# Altium PCB Gateway_V2.PcbDoc (part 2 of 2)
Units mil, origin at the board's own origin, x right, y up, seen from the top; angles counter-clockwise.
Board outline 3655 x 3455 mil, 4 copper layers (Top Layer, Signal Layer 1, Signal Layer 2, Bottom Layer), stack 61.6 mil thick; 174 components, 170 nets, 782 pads, 428 vias.
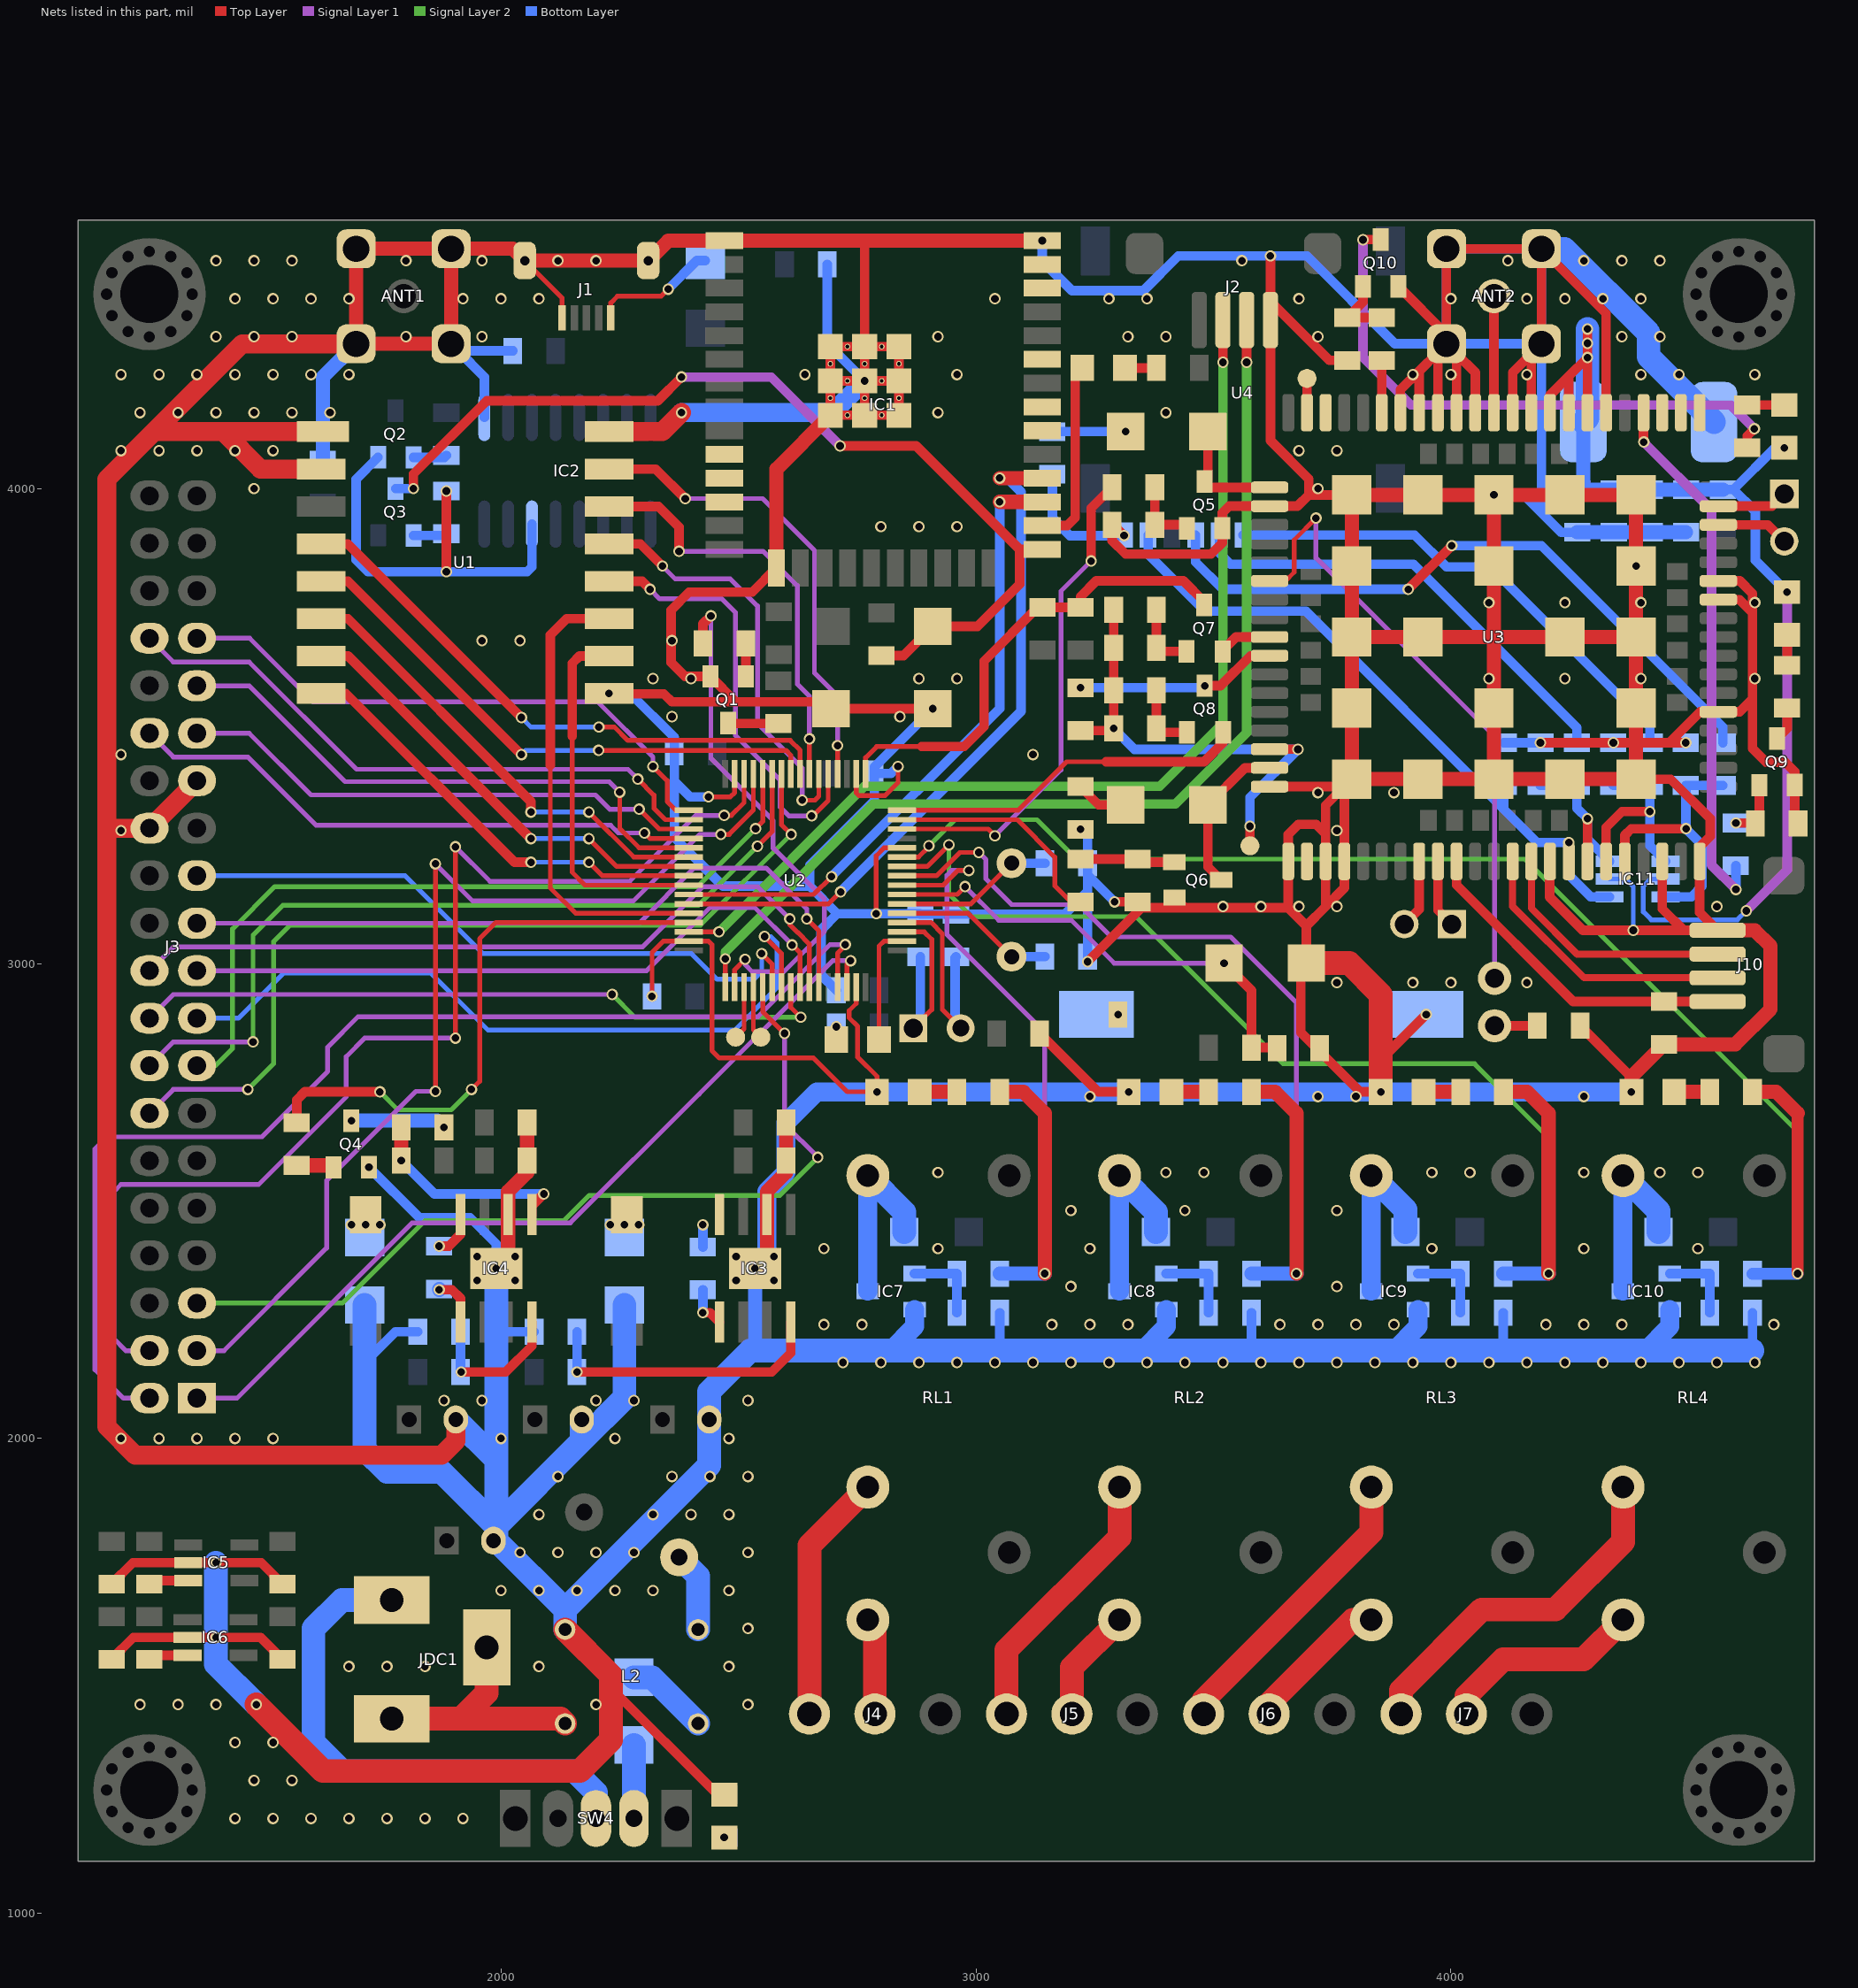
[diagram p4: the nets of this part, all layers, seen from the top]

## Via types
v1: diameter 24, hole 16, Top Layer to Bottom Layer, 426 vias
v2: diameter 51.18, hole 51.18, Top Layer to Bottom Layer, 1 vias
v3: diameter 59.06, hole 59.06, Top Layer to Bottom Layer, 1 vias

## Nets (pads, with @x,y where several pads share a name; then routed paths per layer and width w, separated by ;. In a path a pad name is that pad's centre, name@x,y a point inside that pad or via, vN(x,y) a via of type N, cw(c..) or ccw(c..) an arc to the next point about the centre after c; other vN are vias at no path point) (continued)
GND: ANT1.2 ANT1.3 ANT1.4 ANT1.5 ANT2.2 ANT2.3 ANT2.4 ANT2.5 BT1.2 C1.2 C2.2 C3.1 C4.1 C5.1 C6.1 C7.1 C8.1 C9.1 C10.1 C11.1 C12.1 C14.2 C15.2 C16.1 C17.1 C19.2 C20.1 C21.1 C22.2 C23.1 C24.1 C25.1 C26.1 C27.2 C28.1 C29.1 C30.1 C31.1 C35.2 C36.2 C37.2 C38.1 C39.1 D3.1 D4.1 IC1.1 IC1.15 IC1.38 IC1.39_1 IC1.39_2 IC1.39_3 IC1.39_4 IC1.39_5 IC1.39_6 IC1.39_7 IC1.39_8 IC1.39_9 IC1.39_10 IC1.39_11 IC1.39_12 IC1.39_13 IC1.39_14 IC1.39_15 IC1.39_16 IC1.39_17 IC1.39_18 IC1.39_19 IC1.39_20 IC1.39_21 IC2.1 IC3.6 IC3.9 IC4.6 IC4.9 IC5.2 IC6.2 IC7.3 IC8.3 IC9.3 IC10.3 IC11.2 J1.5 J2.4 J3.26 J3.27 J10.1 L2.3 LED3.2 LED4.2 LED5.2 LED6.2 LED7.2 Q1.2 Q4.2 Q5.2 Q6.2 Q9.2 Q10.2 R8.2 R13.1 R19.1 R25.1 R27.1 R31.1 R33.1 R40.2 R41.2 R42.2 R43.2 R48.1 R49.1 R50.2 SW1.1 SW2.1 SW3.1 U1.1 U1.2 U1.9 U1.16 U2.12 U2.18 U2.31 U2.47 U2.63 U3.2 U3.17 U3.18 U3.29 U3.39 U3.45 U3.46 U3.54 U3.58 U3.59 U3.61 U3.62 U3.63 U3.64 U3.65 U3.69 U3.70 U3.71 U3.72 U3.73 U3.74 U3.75 U3.76 U3.77 U3.78 U3.79 U3.80 U3.81 U3.82 U3.83 U3.84 U3.85 U3.86 U3.87 U3.88 U3.89 U3.91 U3.92 U3.94 U4.5 | length 43446.9
  Top Layer w10: J1.5@2050.08,4480 2128.82,4401.26 J1.5@2128.82,4359.18 ; v1(2318,2931) 2318,3023.36 2341.68,3047.05 U2.47@2395.59,3047.05 2436.95,3047.05 2444,3040 2444,2817 2460,2801 2658,2801 2729,2730 v1(2791.71,2730) 2791.71,2762.29 2751,2803 2751,2868 2733,2886 2733,2901 2747.95,2915.95 U2.63@2747.95,2950.59 ; v1(2436.95,3351) 2483,3351 2492.05,3360.05 U2.31@2492.05,3399.41 ; U2.18@2747.95,3399.41 2747.95,3359.05 2753,3354 2809,3354 2836,3381 v1(2836,3415) ; v1(2790,3105) 2790,3227 2806.9,3243.9 U2.12@2844.41,3243.9
  Top Layer w20: C25.1@1180,1535 1226.03,1581.03 IC6.2@1340,1581.03 v1(1400,1581.03) 1493.97,1581.03 C26.1@1540,1535 ; C23.1@1180,1693.43 1225,1738.43 IC5.2@1341.73,1738.43 v1(1400,1738.43) 1495,1738.43 C24.1@1540,1693.43 ; v1(2227.36,3568.82) 2228.18,3568 2343,3568 2360,3551 2494.6,3551 ; 2231.18,1475 2456.18,1250 LED3.2@2470,1250 ; IC1.15@2580,3832.72 2529.28,3782 2396,3782 2358,3744 2358,3634 2387.4,3604.6 Q1.2@2441,3604.6 2494.6,3551 ; 2765,4522.09 2765.63,4521.46 IC1.39_2@2765.63,4299.06 ; v1(2909,3536.77) SW1.1@2694.64,3536.77 2680.41,3551 2494.6,3551 ; R8.2@3134,2853 3257,2730 v1(3321.71,2730) ; v1(3235,3004) 3348.48,3117.48 3439.52,3117.48 ; v1(3292,3130) R42.2@3340,3130 R42.2@3349,3139 ; v1(3312,3901) 3289.06,3923.94 R40.2@3286.71,3923.94 3286.71,3890.29 3315,3862 3495,3862 3518.71,3885.71 Q5.2@3518.71,3916.79 3518.71,3948.71 3533.15,3963.15 U3.2@3618.19,3963.15 3677.15,3963.15 3700.77,3986.77 ; Q6.2@3418,3139 3439.52,3117.48 ; U3.17@3618.19,3372.6 U3.73@3775.67,3372.6 ; v1(3620,4490) J2.4@3620,4394 ; R49.1@3782,4270 3744,4270 J2.4@3620,4394 ; U3.73@3791.42,3388.35 U3.73@3775.67,3372.6 ; U3.69@3791.42,3986.77 3700.77,3986.77 ; v1(3852.35,2730) 3809,2730 3724,2815 3684,2855 3684,2989.39 SW3.1@3695.61,3001 3695.61,3079.43 ; 3852.35,2797.35 v1(3948,2893) ; Q10.2@3889.35,4426 ANT2.4@3990.63,4324.72 ; U3.65@3893.78,4160 3893.78,4208.15 3933.15,4247.52 ; U3.64@3933.15,4160 3933.15,4247.52 ; U3.63@3972.52,4160 ANT2.4@3972.52,4286.89 ; U3.62@4011.89,4160 ANT2.4@4011.89,4283.74 ; U3.61@4051.26,4160 4051.26,4244.37 ANT2.4@4011.89,4283.74 ; U3.59@4130,4160 4130,4244.37 ANT2.5@4169.37,4283.74 ; U3.58@4169.37,4160 ANT2.5@4169.37,4283.74 ; v1(4188.4,3465) v1(4342,3465) 4389.84,3465 4460,3465 ; U3.29@4208.74,3215.12 4208,3214.38 4208,3140 4278,3070 v1(4384,3070) 4490,3070 ; R50.2@4272,2869 4379.99,2761.01 ; U3.54@4326.85,4160 4326.85,4368.78 ANT2.2@4190.63,4505 ; U3.77@4389.84,3388.35 4462.65,3388.35 4546,3305 4546,3268 4523.7,3245.7 U3.94@4523.7,3215.12 4523.7,3107.6 J10.1@4561.3,3070 4490,3070 ; U3.92@4444.96,3215.12 4444.96,3115.04 4490,3070 ; v1(4494.6,3465) 4460,3465 ; U3.45@4563.07,3766.3 4607.7,3766.3 4635.08,3738.92 ; U3.46@4563.07,3805.67 4608.33,3805.67 4635.08,3778.92 4635.08,3738.92 ; R48.1@4731,3295 4724,3302 Q9.2@4724,3375.79 4724,3404 4704,3424 4664,3424 4635.08,3452.92 4635.08,3557.08 ; IC1.39_4@2693.39,4226.81 IC1.39_15@2729.51,4226.81 v1(2765.63,4226.81) ; IC1.39_4@2693.39,4226.81 IC1.39_12@2693.39,4262.93 IC1.39_1@2693.39,4299.06 IC1.39_10@2729.51,4299.06 IC1.39_2@2765.63,4299.06 ; IC1.39_4@2693.39,4226.81 IC1.39_17@2693.39,4190.69 IC1.39_7@2693.39,4154.57 IC1.39_20@2729.51,4154.57 IC1.39_8@2765.63,4154.57 ; IC1.39_8@2765.63,4154.57 IC1.39_18@2765.63,4190.69 v1(2765.63,4226.81) ; IC1.39_8@2765.63,4154.57 IC1.39_21@2801.75,4154.57 IC1.39_9@2837.87,4154.57 IC1.39_19@2837.87,4190.69 IC1.39_6@2837.87,4226.81 ; v1(2765.63,4226.81) IC1.39_16@2801.75,4226.81 IC1.39_6@2837.87,4226.81 ; v1(2765.63,4226.81) IC1.39_13@2765.63,4262.93 IC1.39_2@2765.63,4299.06 ; IC1.39_2@2765.63,4299.06 IC1.39_11@2801.75,4299.06 IC1.39_3@2837.87,4299.06 IC1.39_14@2837.87,4262.93 IC1.39_6@2837.87,4226.81 ; 3439.52,3117.48 3657.56,3117.48 ; J2.4@3620,4394 J2.4@3620,4355 3620,4101 3700.77,4020.23 3700.77,3986.77 ; 3657.56,3117.48 U3.89@3657.56,3215.12 3657.56,3271.56 3679,3293 3716,3293 3736.3,3272.7 ; 3657.56,3117.48 3695.61,3079.43 ; 3695.61,3079.43 3736.3,3120.11 ; 3736.3,3120.11 3775.67,3159.48 U3.18@3775.67,3215.12 U3.73@3775.67,3372.6 ; 3736.3,3120.11 U3.91@3736.3,3215.12 3736.3,3272.7 ; 3736.3,3272.7 3736.3,3333.23 U3.73@3775.67,3372.6 ; 3933.15,4247.52 ANT2.4@3972.52,4286.89 ; ANT2.4@3972.52,4286.89 ANT2.4@3990.63,4305 ; ANT2.4@3990.63,4305 ANT2.4@3990.63,4324.72 ; ANT2.4@3990.63,4305 ANT2.4@4011.89,4283.74 ; ANT2.4@3990.63,4324.72 ANT2.3@3990.63,4505 ANT2.2@4190.63,4505 ; ANT2.5@4169.37,4283.74 ANT2.5@4190.63,4305 ANT2.2@4190.63,4505 ; 4460,3465 4525.08,3530.08 U3.39@4563.07,3530.08 4608.08,3530.08 4635.08,3557.08 ; 4635.08,3557.08 4635.08,3738.92
  Top Layer w30: v1(1990,2358.19) 2015,2383.19 IC4.6@2015,2471.38 2015,2520 2055,2560 C21.1@2055,2585 C20.1@2055,2665 ; v1(2535,2358.19) 2560,2383.19 IC3.6@2560,2471.38 2560,2520 2600,2560 C17.1@2600,2585 C16.1@2600,2665 ; IC1.15@2580,3832.72 2580,4041.18 IC1.39_7@2693.39,4154.57 ; v1(3139.65,4522.09) 2765,4522.09 IC1.1@2470.35,4522.09 2352.01,4522.09 J1.5@2309.92,4480 J1.5@2050.08,4480 2025.08,4505 ANT1.2@1895,4505 ; v1(4380.01,2730.01) 4380.01,2761.01 C39.1@4449,2830 4599,2830 4673,2904 4673,3037 4640,3070 J10.1@4561.3,3070 ; ANT1.2@1895,4505 ANT1.3@1695,4505 ANT1.4@1695,4305 ANT1.5@1895,4305 ANT1.2@1895,4505 ; U3.71@3791.42,3687.56 U3.85@3941.02,3687.56 4090.63,3687.56 ; U3.71@3791.42,3687.56 U3.70@3791.42,3837.17 U3.69@3791.42,3986.77 U3.84@3941.02,3986.77 v1(4090.63,3986.77) ; U3.71@3791.42,3687.56 U3.72@3791.42,3537.95 U3.73@3791.42,3388.35 U3.74@3941.02,3388.35 U3.75@4090.63,3388.35 ; U3.75@4090.63,3388.35 U3.76@4240.24,3388.35 U3.77@4389.84,3388.35 4389.84,3465 U3.78@4389.84,3537.95 U3.79@4389.84,3687.56 ; U3.75@4090.63,3388.35 U3.86@4090.63,3537.95 4090.63,3687.56 ; 4090.63,3687.56 U3.87@4240.24,3687.56 U3.79@4389.84,3687.56 ; 4090.63,3687.56 U3.88@4090.63,3837.17 v1(4090.63,3986.77) ; v1(4090.63,3986.77) U3.82@4240.24,3986.77 U3.81@4389.84,3986.77 v1(4389.84,3837.17) U3.79@4389.84,3687.56
  Top Layer w40: J3.27@1360,3385 J3.26@1260,3285 1170,3285 ; U1.2@1621.06,4041.26 1493.74,4041.26 1415,4120 ; U1.1@1625,4120 1415,4120 ; ANT1.4@1695,4305 1455,4305 1270,4120 ; C19.2@1905,2040 1905,1995 1875,1965 1230,1965 1170,2025 1170,3285 ; U1.16@2227.36,4120 2340,4120 v1(2380,4160) ; 1170,3285 1170,4020 1270,4120 ; 1270,4120 1415,4120
  Top Layer w50: v1(1485,1440) 1625,1300 2166.18,1300 2231.18,1365 2231.18,1475 2231.18,1501.82 L2.3@2135,1598 ; SW3.1@3695.61,3001 3786,3001 3852.35,2934.65 3852.35,2797.35 v1(3852.35,2730)
  Bottom Layer w10: v1(2790,3105) v1@2791,3104 ; IC11.2@4333.94,3178 4368,3178 4384,3162 v1(4384,3070)
  Bottom Layer w20: 1713,2160 1778,2225 R19.1@1825,2225 ; v1(1722,2571) 1828,2465 1935,2465 1990,2410 v1(1990,2358.19) ; ANT1.5@1895,4305 ANT1.5@1910,4290 ; IC2.1@1965,4150 1965,4235 ANT1.5@1910,4290 ; 1990,2225 R13.1@2070,2225 ; C2.2@2025,4290 ANT1.5@1910,4290 ; v1(2227.36,3568.82) 2272.18,3568.82 2365,3476 C8.1@2365,3445 2365,3384 ; v1(2436.95,3351) 2398,3351 2365,3384 ; C1.2@2687,4472.09 2687,4305.44 v1(2765.63,4226.81) ; C9.1@2706,2944 2674,2976 2674,3071 2708,3105 ; v1(2836,3415) 2821,3400 C10.1@2786,3400 ; v1(2909,3536.77) 2786,3413.77 C10.1@2786,3400 ; 3050,2185 R25.1@3050,2265 ; v1(3139.65,4522.09) 3139.65,4479.35 3202,4417 3353,4417 3426,4490 v1(3620,4490) 3697,4490 3882,4305 ANT2.4@3990.63,4305 ; R41.2@3161,4030 3161,3938 3198,3901 v1(3312,3901) ; v1(3220,3282.6) 3235,3267.6 C5.1@3235,3211.39 C5.1@3235,3187 ; C4.1@3235,3014.54 3235,3152 ; v1(3292,3130) C5.1@3235,3187 ; 3580,2185 R27.1@3580,2265 ; v1(4090.63,3986.77) 4153.23,3986.77 4190.63,3949.37 ; 4110,2185 R31.1@4110,2265 ; C35.2@4111.61,3465 v1(4188.4,3465) ; C31.1@4266,3908 4232,3908 4190.63,3949.37 ; 4635,2185 R33.1@4635,2265 ; 2365,3384 2365,3265 2467,3163 2650,3163 ; 2650,3163 2650,3207 2786,3343 C10.1@2786,3400 ; 2650,3163 2708,3105 ; 2708,3105 v1(2790,3105) 2882,3105 C11.1@2883,3104 C12.1@2958,3104 3187,3104 3235,3152 ; 3235,3152 C5.1@3235,3187 ; ANT2.4@3990.63,4305 ANT2.5@4190.63,4305 ; ANT2.4@3990.63,4305 ANT2.3@3990.63,4505 ANT2.2@4190.63,4505 ANT2.5@4190.63,4305 ; 4190.63,3949.37 ANT2.5@4190.63,4305
  Bottom Layer w30: C3.1@1625,4060 1625,4235 ANT1.4@1695,4305 ; 2525,2185 2535,2195 v1(2535,2358.19) 2560,2383.19 ; C31.1@4266,3908 4389.84,3908 ; v1(4389.84,3837.17) 4389.84,3908 ; C28.1@4495,3908 4389.84,3908
  Bottom Layer w40: v1(2380,4160) 2698.82,4160 v1(2765.63,4226.81) ; 2560,2383.19 2560,2520 2600,2560 2600,2665 2665,2730 v1(2791.71,2730) v1(3321.71,2730) v1(3852.35,2730) v1(4380.01,2730.01) ; 2820,2185 2870.79,2235.79 IC7.3@2870.79,2271.4 ; 3350,2185 3400.79,2235.79 IC8.3@3400.79,2271.4 ; 3880,2185 3930.79,2235.79 IC9.3@3930.79,2271.4 ; 4410,2185 4460.79,2235.79 IC10.3@4460.79,2271.4
  Bottom Layer w50: v1(1400,1738.43) v1(1400,1581.03) 1400,1525 v1(1485,1440) ; D4.1@1713,2281 1713,2160 1713,1977 1760,1930 1875,1930 1990,1815 ; C19.2@1905,2040 1990,1955 ; v1(1990,2358.19) 1990,2225 1990,1955 ; L2.3@2135,1598 2135,1640 ; C14.2@2170,2040 2170,1995 ; D3.1@2260,2281 2260,2085 2170,1995 ; ANT2.2@4190.63,4505 4239,4505 4416,4328 4416,4278 C27.2@4554,4140 ; 4635,2185 4410,2185 4110,2185 3880,2185 3580,2185 3350,2185 3050,2185 2820,2185 2525,2185 2438.43,2098.43 C15.2@2438.43,2040 2438.43,1943.43 2135,1640 ; 1990,1815 1990,1955 ; 1990,1815 2170,1995 ; 1990,1815 1990,1790.79 C22.2@1984.21,1785 1990,1785 2135,1640
  other v1: 1440,1200 1520,1200 1600,1200 1680,1200 1760,1200 1840,1200 1920,1200 1480,1280 1560,1280 1440,1360 1520,1360 1240,1440 1320,1440 1400,1440 2200,1440 2520,1440 1680,1520 1760,1520 1840,1520 2080,1520 2480,1520 2520,1600 2000,1680 2080,1680 2160,1680 2240,1680 2320,1680 2480,1680 2040,1760 2120,1760 2200,1760 2280,1760 2520,1760 2080,1840 2320,1840 2400,1840 2480,1840 2120,1920 2360,1920 2440,1920 2520,1920 1200,2000 1280,2000 1360,2000 1440,2000 1520,2000 2000,2000 2240,2000 2480,2000 1880,2080 1960,2080 2200,2080 2280,2080 2520,2080 2720,2160 2800,2160 2880,2160 2960,2160 3040,2160 3120,2160 3200,2160 3280,2160 3360,2160 3440,2160 3520,2160 3600,2160 3680,2160 3760,2160 3840,2160 3920,2160 4000,2160 4080,2160 4160,2160 4240,2160 4320,2160 4400,2160 4480,2160 4560,2160 4640,2160 2680,2240 2760,2240 3160,2240 3240,2240 3320,2240 3640,2240 3720,2240 3800,2240 3880,2240 4200,2240 4280,2240 4360,2240 4680,2240 3200,2320 3760,2320 1950,2333.19 2030,2333.19 2495,2333.19 2575,2333.19 1950,2383.19 2030,2383.19 2495,2383.19 2575,2383.19 2680,2400 2920,2400 3240,2400 3960,2400 4280,2400 4520,2400 3200,2480 3440,2480 3760,2480 2920,2560 3400,2560 3480,2560 3960,2560 4040,2560 4280,2560 4440,2560 4520,2560 3240,2720 3720,2720 3800,2720 4280,2720 3760,2960 3920,2960 4000,2960 4160,2960 3520,3120 3600,3120 3680,3120 3760,3120 4560,3120 1200,3280 3760,3280 3720,3360 3880,3360 1200,3440 3120,3440 2360,3520 2840,3520 2320,3600 2400,3600 2880,3600 2960,3600 4080,3600 4240,3600 4400,3600 4640,3600 1960,3680 2040,3680 2360,3680 4080,3760 4240,3760 4400,3760 4640,3760 2800,3920 2880,3920 2960,3920 1480,4000 3720,4000 1200,4080 1280,4080 1360,4080 1440,4080 1520,4080 3680,4080 3760,4080 1240,4160 1320,4160 1400,4160 1480,4160 1560,4160 1640,4160 2920,4160 3400,4160 1200,4240 1280,4240 1360,4240 1440,4240 1520,4240 1600,4240 1680,4240 2640,4240 2960,4240 3920,4240 4000,4240 4160,4240 4400,4240 4480,4240 4640,4240 1400,4320 1480,4320 1560,4320 1800,4320 1960,4320 2920,4320 3320,4320 3400,4320 3720,4320 4360,4320 4440,4320 1440,4400 1520,4400 1600,4400 1680,4400 1920,4400 2000,4400 2080,4400 3040,4400 3280,4400 3360,4400 3680,4400 4000,4400 4160,4400 4240,4400 4320,4400 4400,4400 1400,4480 1480,4480 1560,4480 1800,4480 1960,4480 2120,4480 2200,4480 3560,4480 4120,4480 4280,4480 4360,4480 4440,4480
GNSS_1V8: U3.97
GNSS_PWRCTRL: U3.98
GNSS_RX: U3.96
GNSS_TX: U3.95
GPIO_LED0: LED2.2 U2.2 | length 249.6
  Top Layer w10: LED2.2@2796,2840 2796,3037 2806.05,3047.05 U2.2@2844.41,3047.05
GPS_ANT: U3.90
IO0: IC1.25 Q3.3 R3.2 SW2.2 | length 2053.1
  Top Layer w20: v1(1815.68,4000) 1815.68,4030.68 1970,4185 2330,4185 v1(2380,4235) ; v1(2714,4090) 2874,4090 3091.91,3872.09 ; R3.2@2801.36,3648.39 2847.39,3648.39 SW2.2@2909,3710 3003,3710 3091.91,3798.91 3091.91,3872.09 ; IC1.25@3139.65,3872.09 3091.91,3872.09
  Signal Layer 1 w20: v1(2380,4235) 2569,4235 v1(2714,4090)
  Bottom Layer w20: Q3.3@1778.28,4000 v1(1815.68,4000)
IO18: IC1.30
IO19: IC1.31
IO21: IC1.33
IO22: IC1.36
IO23: IC1.37
IO25: IC1.10
IO26: IC1.11
IO27: IC1.12
MAIN_ANT: ANT2.1 U3.60 | length 245
  Top Layer w20: U3.60@4090.63,4160 ANT2.1@4090.63,4405
MCU_RESET: C6.2 R9.2 SW3.2 U2.7 | length 1027.9
  Top Layer w10: U2.7@2844.41,3145.47 2960.47,3145.47 v1(2977,3162)
  Top Layer w20: v1(3522.39,3001) 3580,2943.39 R9.2@3580,2823.14 ; C6.2@3634,2815 3625.87,2823.14 R9.2@3587.14,2823.14 ; R9.2@3580,2823.14 3580,2816 R9.2@3587.14,2823.14 ; R9.2@3580,2823.14 R9.2@3587.14,2823.14
  Signal Layer 1 w10: v1(2977,3162) 3048,3091 3201,3091 3291,3001 v1(3522.39,3001)
NC0: J4.1 RL1.3 | length 528.7
  Top Layer w50: J4.1@2649.41,1420 2649.41,1774.84 RL1.3@2772.36,1897.8
NC1: J5.1 RL2.3 | length 576.4
  Top Layer w50: J5.1@3064.41,1420 3064.41,1554.41 3302.36,1792.36 RL2.3@3302.36,1897.8
NC2: J6.1 RL3.3 | length 624
  Top Layer w50: J6.1@3479.41,1420 3479.41,1449.41 3832.36,1802.36 RL3.3@3832.36,1897.8
NC3: J7.1 RL4.3 | length 762.2
  Top Layer w50: J7.1@3895,1420 3895,1470 4065,1640 4220,1640 4362.36,1782.36 RL4.3@4362.36,1897.8
NetBT1_1: BT1.1 R11.2
  other v1: 3299,2893
NetC13_1: C13.1 D3.2 IC3.8 L1.1 | length 46.8
  Bottom Layer w20: C13.1@2425,2403.19 v1(2425,2450)
  other v1: 2230,2450 2260,2450 2290,2450
NetC13_2: C13.2 IC3.1 | length 91.5
  Top Layer w20: v1(2425,2265) 2440,2265 IC3.1@2460,2245
  Bottom Layer w20: v1(2425,2265) C13.2@2425,2313.19
NetC18_1: C18.1 D4.2 IC4.8 L3.1 | length 96.7
  Top Layer w20: v1(1870,2405) 1890,2405 1915,2430 IC4.8@1915,2471.38
  other v1: 1685,2450 1715,2450 1745,2450
NetC18_2: C18.2 IC4.1 | length 104.3
  Top Layer w20: v1(1870,2313.19) 1896.81,2313.19 1915,2295 IC4.1@1915,2245
  Bottom Layer w30: v1(1870,2313.19) C18.2@1870,2315
NetC32_1: C32.1 Q7.3 R34.2 U2.17 | length 1020.1
  Top Layer w10: U2.17@2767.64,3399.41 2767.64,3433.64 2791,3457 2886,3457
  Top Layer w20: 2886,3457 2975,3457 3017,3499 3017,3637 3130,3750 C32.1@3140,3750 R34.2@3220,3750 3220,3772.5 3253.17,3805.67 3436.95,3805.67 3480.82,3761.8 Q7.3@3480.82,3755.38
NetC33_2: C33.2 Q8.1 R37.1 | length 147.9
  Top Layer w20: C33.2@3380,3575 R37.1@3380,3495 3388.21,3486.79 Q8.1@3444.51,3486.79
NetC34_2: C34.2 Q7.1 R36.1 | length 147
  Top Layer w20: R36.1@3380,3745.1 C34.2@3380,3665 3387.83,3657.17 Q7.1@3443.61,3657.17
NetD1_1: D1.1 J1.1 | length 267.6
  Top Layer w10: J1.1@2231.18,4359.18 2231.18,4391.18 2245,4405 2337.01,4405 v1(2352.01,4420)
  Bottom Layer w20: v1(2352.01,4420) 2412.01,4480 D1.1@2430,4480
NetD2_1: D2.1 SW4.1 | length 155
  Bottom Layer w50: SW4.1@2280,1200 D2.1@2280,1355
NetD2_2: D2.2 L2.1 | length 175.3
  Bottom Layer w50: D2.2@2280,1497.2 2317.8,1497.2 L2.1@2415,1400
NetD5_1: D5.1 IC7.2 RL1.2 | length 394.2
  Bottom Layer w40: IC7.2@2772.36,2310 RL1.2@2772.36,2553.7
  Bottom Layer w50: RL1.2@2772.36,2553.7 2849.17,2476.89 D5.1@2849.17,2435
NetD6_1: D6.1 IC8.2 RL2.2 | length 394.2
  Bottom Layer w40: IC8.2@3302.36,2310 RL2.2@3302.36,2553.7
  Bottom Layer w50: RL2.2@3302.36,2553.7 3379.17,2476.89 D6.1@3379.17,2435
NetD7_1: D7.1 IC9.2 RL3.2 | length 392.1
  Bottom Layer w40: IC9.2@3832.36,2310 RL3.2@3832.36,2553.7
  Bottom Layer w50: RL3.2@3832.36,2553.7 3904.17,2481.89 D7.1@3904.17,2435
NetD8_1: D8.1 IC10.2 RL4.2 | length 393.4
  Bottom Layer w40: IC10.2@4362.36,2310 RL4.2@4362.36,2553.7
  Bottom Layer w50: RL4.2@4362.36,2553.7 4437.09,2478.98 D8.1@4437.09,2435
NetF1_1: F1.1 L2.2 | length 168.6
  Bottom Layer w50: F1.1@2375,1750 2415,1710 L2.2@2415,1598
NetIC1_26: IC1.26 LED1.2 | length 397.6
  Top Layer w20: IC1.26@3139.65,3922.09 3192.09,3922.09 3209,3939 3209,4239 LED1.2@3224,4254